# Altium PCB PCB1.PcbDoc
Units mm, origin at the board's own origin, x right, y up, seen from the top; angles counter-clockwise.
Board outline 101.77 x 53.47 mm, 2 copper layers (Top Layer, Bottom Layer); 63 components, 46 nets, 299 pads, 0 vias.
Unrouted connection lines stored in the file: 110.
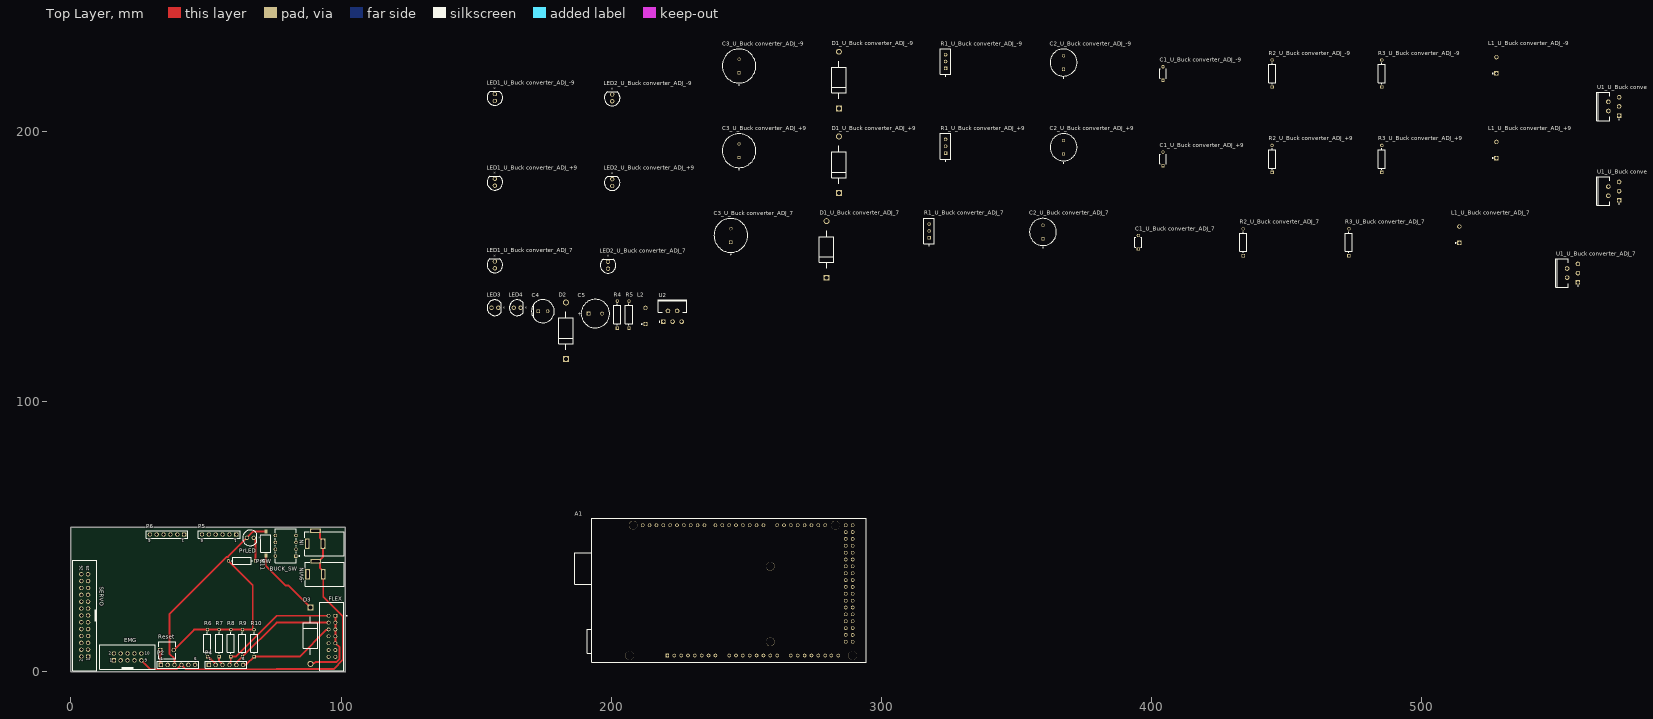
[diagram p0: Top Layer view]
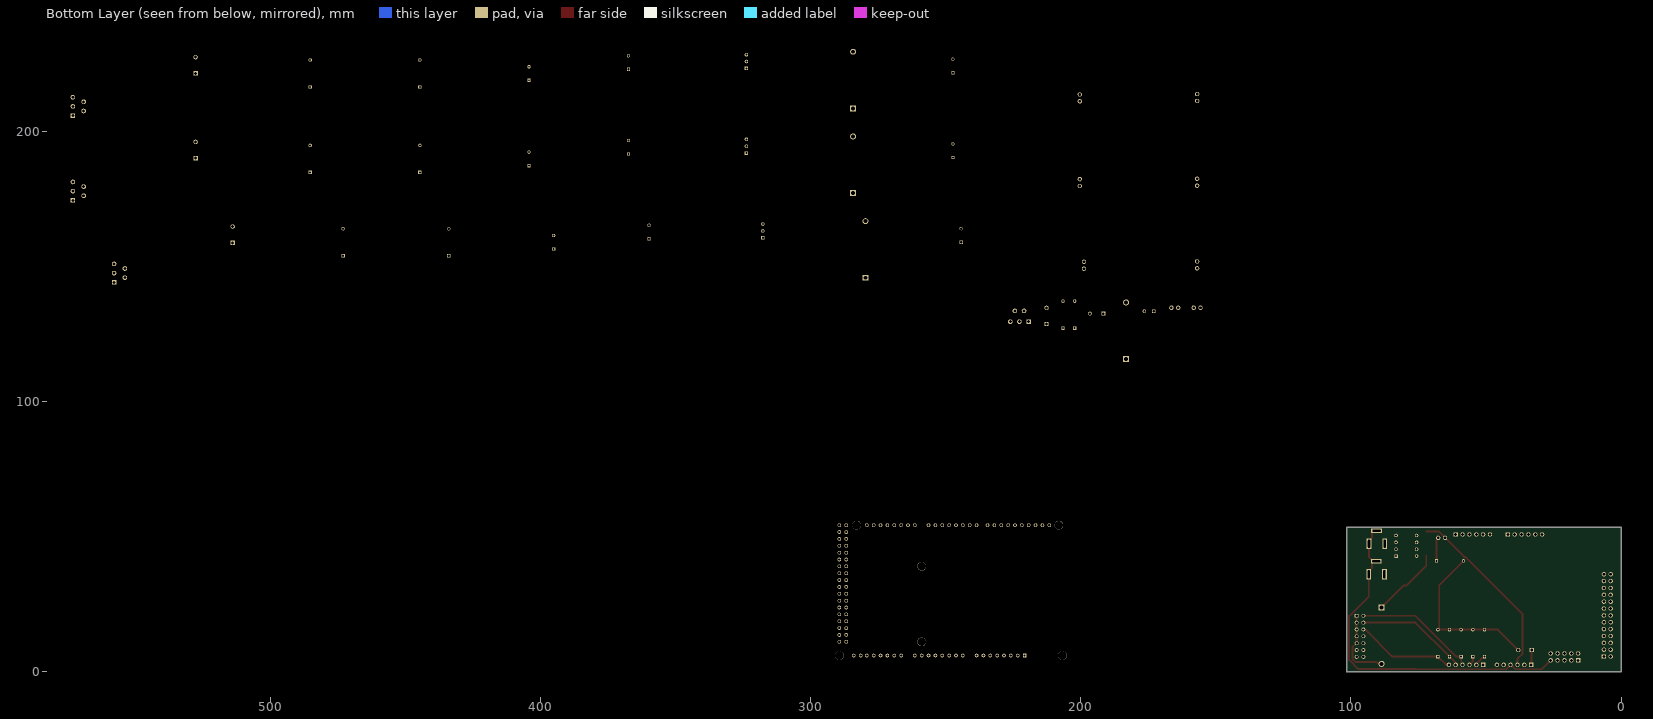
[diagram p1: Bottom Layer view, seen from below]

## Layer stack, top to bottom
Top Solder: solder mask 0.0102, Solder Resist, Dk 3.5
Top Layer: signal copper 0.0356
Dielectric 1: dielectric 0.32, FR-4, Dk 4.8
Bottom Layer: signal copper 0.0356
Bottom Solder: solder mask 0.0102, Solder Resist, Dk 3.5

## Board outline
-0.091,0.089 cw(c0,0.178) -0.127,0.178 -0.127,53.064 cw(c0,53.064) -0.09,53.155 -0.09,53.154 0.059,53.303 0.058,53.303 cw(c0.149,53.213) 0.149,53.34 101.371,53.34 cw(c101.371,53.213) 101.462,53.303 101.461,53.303 101.61,53.154 101.61,53.155 cw(c101.52,53.064) 101.647,53.064 101.647,0 cw(c101.52,0) 101.52,-0.127 0,-0.127 cw(c0,0)

## Design rules (kind name [scope] priority, off if disabled: settings)
Clearance [All] p1: gap=0.5 ignorepadtopadclearanceinfootprint=FALSE
PolygonConnect [All] p1: connectstyle=Relief reliefconductorwidth=0.254 reliefentries=4 polygonreliefangle="90 Angle" airgapwidth=0.254
RoomDefinition "U_Buck converter_ADJ_-9" [InComponentClass('U_Buck converter_ADJ_-9')] p1: confinementstyle=ConfineIn formatcopy=TRUE lockcomponents=FALSE outline 153.543,203.581 604.139,203.581 604.139,233.68 153.543,233.68
RoomDefinition "U_Buck converter_ADJ_+9" [InComponentClass('U_Buck converter_ADJ_+9')] p2: confinementstyle=ConfineIn formatcopy=TRUE lockcomponents=FALSE outline 153.543,172.212 604.139,172.212 604.139,202.311 153.543,202.311
RoomDefinition "U_Buck converter_ADJ_7" [InComponentClass('U_Buck converter_ADJ_7')] p3: confinementstyle=ConfineIn formatcopy=TRUE lockcomponents=FALSE outline 153.543,141.859 587.375,141.859 587.375,170.942 153.543,170.942
RoomDefinition "U_Buck converter_5V" [InComponentClass('U_Buck converter_5V')] p4: confinementstyle=ConfineIn formatcopy=TRUE lockcomponents=FALSE outline 153.543,114.173 228.346,114.173 228.346,140.589 153.543,140.589
RoutingVias [All] p1: holewidth=0.711 width=1.27 viastyle="Through Hole" minholewidth=0.711 minwidth=1.27 maxholewidth=0.711 maxwidth=1.27
SolderMaskExpansion [All] p1: expansion=0.102 istentingtop=FALSE
Width [All] p1: maxlimit=1.5 minlimit=0.5 preferedwidth=0.7 minimp=50.000000 maximp=50.000000 favimp=50.000000
30 further rules are at their usual default settings.

## Classes and differential pairs
channel class "Buck converter_ADJ": "U_Buck converter_ADJ_7" "U_Buck converter_ADJ_+9" "U_Buck converter_ADJ_-9"
component class "U_Buck converter_ADJ_-9": "C1_U_Buck converter_ADJ_-9" "C2_U_Buck converter_ADJ_-9" "C3_U_Buck converter_ADJ_-9" "D1_U_Buck converter_ADJ_-9" "L1_U_Buck converter_ADJ_-9" "LED1_U_Buck converter_ADJ_-9" "LED2_U_Buck converter_ADJ_-9" "R1_U_Buck converter_ADJ_-9" "R2_U_Buck converter_ADJ_-9" "R3_U_Buck converter_ADJ_-9" "U1_U_Buck converter_ADJ_-9"
component class "U_Buck converter_ADJ_+9": "C1_U_Buck converter_ADJ_+9" "C2_U_Buck converter_ADJ_+9" "C3_U_Buck converter_ADJ_+9" "D1_U_Buck converter_ADJ_+9" "L1_U_Buck converter_ADJ_+9" "LED1_U_Buck converter_ADJ_+9" "LED2_U_Buck converter_ADJ_+9" "R1_U_Buck converter_ADJ_+9" "R2_U_Buck converter_ADJ_+9" "R3_U_Buck converter_ADJ_+9" "U1_U_Buck converter_ADJ_+9"
component class "U_Buck converter_ADJ_7": "C1_U_Buck converter_ADJ_7" "C2_U_Buck converter_ADJ_7" "C3_U_Buck converter_ADJ_7" "D1_U_Buck converter_ADJ_7" "L1_U_Buck converter_ADJ_7" "LED1_U_Buck converter_ADJ_7" "LED2_U_Buck converter_ADJ_7" "R1_U_Buck converter_ADJ_7" "R2_U_Buck converter_ADJ_7" "R3_U_Buck converter_ADJ_7" "U1_U_Buck converter_ADJ_7"
component class "U_Buck converter_5V": C4 C5 D2 L2 LED3 LED4 R4 R5 U2
component class "main sheet": -9VIN A1 BUCK_SW D3 EMG FLEX IN P2 P4 P5 P6 PrLED PrSW R6 R7 R8 R9 R10 R11 Reset SERVO

## Components (designator, comment, footprint, x,y, rotation, side; value= is the part's Value field where it differs from the comment)
-9VIN "694108301002" 694108301002 93.98,35.941 r90 top (schematic designator J3)
A1 "A000067" ARDUINO_A000067 243.713,29.972 r90 top
BUCK_SW "A6H-2102" FP-1825360-3-MFG 79.502,46.482 r90 top (schematic designator SW1)
"C1_U_Buck converter_ADJ_7" "3.3nf" FP-RCE0K1-MFG 395.224,158.877 r90 top (schematic designator C1)
"C1_U_Buck converter_ADJ_+9" "3.3nf" FP-RCE0K1-MFG 404.368,189.738 r90 top (schematic designator C1)
"C1_U_Buck converter_ADJ_-9" "3.3nf" FP-RCE0K1-MFG 404.368,221.361 r90 top (schematic designator C1)
"C2_U_Buck converter_ADJ_7" "220uF-50V" CAPPRD500W60D1000H1600 359.918,162.687 r90 top (schematic designator C2)
"C2_U_Buck converter_ADJ_+9" "220uF-50V" CAPPRD500W60D1000H1600 367.538,194.056 r90 top (schematic designator C2)
"C2_U_Buck converter_ADJ_-9" "220uF-50V" CAPPRD500W60D1000H1600 367.538,225.425 r90 top (schematic designator C2)
"C3_U_Buck converter_ADJ_7" "470uf-50V" CAPPRD500W60D1250H2000 244.348,161.417 r90 top (schematic designator C3)
"C3_U_Buck converter_ADJ_+9" "470uf-50V" CAPPRD500W60D1250H2000 247.396,192.786 r90 top (schematic designator C3)
"C3_U_Buck converter_ADJ_-9" "470uf-50V" CAPPRD500W60D1250H2000 247.396,224.155 r90 top (schematic designator C3)
C4 "16SVP180MX" FP-EEU-FC1V221L-MFG 174.752,133.35 r0 top value=330uF
C5 "EEU-FM1H221" PNSC-EEUFM1H221-2 194.183,132.461 r0 top
"D1_U_Buck converter_ADJ_7" "1N5822" FP-DO-201AD-MFG 279.781,156.21 r90 top (schematic designator D1)
"D1_U_Buck converter_ADJ_+9" "1N5822" FP-DO-201AD-MFG 284.353,187.579 r90 top (schematic designator D1)
"D1_U_Buck converter_ADJ_-9" "1N5822" FP-DO-201AD-MFG 284.353,218.948 r90 top (schematic designator D1)
D2 "1N5822" FP-DO-201AD-MFG 183.261,126.111 r90 top
D3 "1N5822" FP-DO-201AD-MFG 88.646,13.208 r270 top
EMG "61201021621" 61201021621 20.955,5.334 r0 top (schematic designator P1)
FLEX "2-1761679-5" TE_2-1761679-5 96.647,12.954 r270 top (schematic designator J4)
IN "694108301002" 694108301002 93.853,47.244 r90 top (schematic designator J2)
"L1_U_Buck converter_ADJ_7" "AIAP-03-220K" ABRA-AIAP-02-2_V2 514.096,161.671 r90 top (schematic designator L1)
"L1_U_Buck converter_ADJ_+9" "AIAP-03-220K" ABRA-AIAP-02-2_V2 527.812,193.04 r90 top (schematic designator L1)
"L1_U_Buck converter_ADJ_-9" "AIAP-03-220K" ABRA-AIAP-02-2_V2 527.812,224.409 r90 top (schematic designator L1)
L2 "AIAP-03-220K" ABRA-AIAP-02-2_V2 212.725,131.572 r90 top
"LED1_U_Buck converter_ADJ_7" "" "Type 5mm" 156.972,150.495 r90 top (schematic designator LED1)
"LED1_U_Buck converter_ADJ_+9" "" "Type 5mm" 156.972,181.102 r90 top (schematic designator LED1)
"LED1_U_Buck converter_ADJ_-9" "" "Type 5mm" 156.972,212.471 r90 top (schematic designator LED1)
"LED2_U_Buck converter_ADJ_7" "" "Type 5mm" 198.882,150.368 r90 top (schematic designator LED2)
"LED2_U_Buck converter_ADJ_+9" "" "Type 5mm" 200.406,180.975 r90 top (schematic designator LED2)
"LED2_U_Buck converter_ADJ_-9" "" "Type 5mm" 200.406,212.344 r90 top (schematic designator LED2)
LED3 "" "Type 5mm" 156.972,134.62 r0 top
LED4 "" "Type 5mm" 165.227,134.62 r0 top
P2 "61300611121" 61300611121 39.624,2.413 r0 top
P4 "61300611121" 61300611121 57.404,2.413 r0 top
P5 "61300611121" 61300611121 54.864,50.673 r180 top
P6 "61300611121" 61300611121 35.56,50.673 r180 top
PrLED "" "Type 5mm" 66.421,49.403 r0 top (schematic designator LED5)
PrSW "A6S-1104-H" FP-A6S-1104-H-MFG 72.136,47.371 r180 top (schematic designator SW2)
"R1_U_Buck converter_ADJ_7" "3290W-1-203" BOUR-3290W 317.754,163.068 r90 top (schematic designator R1)
"R1_U_Buck converter_ADJ_+9" "3290W-1-203" BOUR-3290W 323.85,194.437 r90 top (schematic designator R1)
"R1_U_Buck converter_ADJ_-9" "3290W-1-203" BOUR-3290W 323.85,225.806 r90 top (schematic designator R1)
"R2_U_Buck converter_ADJ_7" "MFR-25FBF52-1K18" FP-MFR-25-MFG 434.086,158.877 r90 top value="2K Ω" (schematic designator R2)
"R2_U_Buck converter_ADJ_+9" "MFR-25FBF52-1K18" FP-MFR-25-MFG 444.754,189.738 r90 top value="2K Ω" (schematic designator R2)
"R2_U_Buck converter_ADJ_-9" "MFR-25FBF52-1K18" FP-MFR-25-MFG 444.754,221.361 r90 top value="2K Ω" (schematic designator R2)
"R3_U_Buck converter_ADJ_7" "MFR-25FBF52-1K18" FP-MFR-25-MFG 473.202,158.877 r90 top value=450 (schematic designator R3)
"R3_U_Buck converter_ADJ_+9" "MFR-25FBF52-1K18" FP-MFR-25-MFG 485.394,189.738 r90 top value=450 (schematic designator R3)
"R3_U_Buck converter_ADJ_-9" "MFR-25FBF52-1K18" FP-MFR-25-MFG 485.394,221.361 r90 top value=450 (schematic designator R3)
R4 "MFR-25FBF52-1K18" FP-MFR-25-MFG 202.311,132.08 r90 top value="2K Ω"
R5 "MFR-25FBF52-1K18" FP-MFR-25-MFG 206.629,132.08 r90 top value=100
R6 "MFR-25FBF52-1K18" FP-MFR-25-MFG 50.546,10.414 r90 top value=1K
R7 "MFR-25FBF52-1K18" FP-MFR-25-MFG 54.864,10.414 r90 top value=1K
R8 "MFR-25FBF52-1K18" FP-MFR-25-MFG 59.182,10.414 r90 top value=1K
R9 "MFR-25FBF52-1K18" FP-MFR-25-MFG 63.5,10.414 r90 top value=1K
R10 "MFR-25FBF52-1K18" FP-MFR-25-MFG 67.818,10.414 r90 top value=1K
R11 "MFR-25FBF52-1K18" FP-MFR-25-MFG 63.326,40.894 r180 top value=100
Reset "EVQ-21505R" FP-EVQ-21505R-MFG 35.56,7.874 r0 top (schematic designator SW3)
SERVO "61202621621" 61202621621 5.08,20.701 r90 top (schematic designator P3)
"U1_U_Buck converter_ADJ_7" "LM2596T-ADJ" NDH0005A 556.006,147.447 r90 top (schematic designator U1)
"U1_U_Buck converter_ADJ_+9" "LM2596T-ADJ" NDH0005A 571.246,177.8 r90 top (schematic designator U1)
"U1_U_Buck converter_ADJ_-9" "LM2596T-ADJ" NDH0005A 571.246,209.169 r90 top (schematic designator U1)
U2 "LM2596T-5.0" NDH0005A 222.758,131.445 r0 top

## Footprints (in the part's own frame and the unit in brackets; to place one, negate y for a bottom-side part, rotate by r counter-clockwise, add the part's x,y. Pads: shape width x height; smd on the part's side, far side on the other; paste and mask are expansions set on the pad)
61201021621 [mm] "10 pins, straight, gold plating"
  rect 1.6x1.6 hole 1.1: 1(-5.08,-1.27)
  round 1.6 hole 1.1: 2(-5.08,1.27) 3(-2.54,-1.27) 4(-2.54,1.27) 5(0,-1.27) 6(0,1.27) 7(2.54,-1.27) 8(2.54,1.27) 9(5.08,-1.27) 10(5.08,1.27)
  silkscreen extent -10.28,-4.5 10.28,4.5, body extent -10.18,-4.42 10.18,4.75, height 9.13
61202621621 [mm] "26 pins, straight, gold plating"
  rect 1.6x1.6 hole 1.1: 1(-15.24,-1.27)
  round 1.6 hole 1.1: 2(-15.24,1.27) 3(-12.7,-1.27) 4(-12.7,1.27) 5(-10.16,-1.27) 6(-10.16,1.27) 7(-7.62,-1.27) 8(-7.62,1.27) 9(-5.08,-1.27) 10(-5.08,1.27) 11(-2.54,-1.27) 12(-2.54,1.27) 13(0,-1.27) 14(0,1.27) 15(2.54,-1.27) 16(2.54,1.27) 17(5.08,-1.27) 18(5.08,1.27) 19(7.62,-1.27) 20(7.62,1.27) 21(10.16,-1.27) 22(10.16,1.27) 23(12.7,-1.27) 24(12.7,1.27) 25(15.24,-1.27) 26(15.24,1.27)
  silkscreen extent -20.44,-4.5 20.44,4.5, body extent -20.34,-4.42 20.34,4.75, height 9.13
61300611121 [mm] "Pin Header, pitch 2.54 mm, THT, Vertical, single row, 6p"
  rect 1.6x1.6 hole 1.1: 1(-6.35,0)
  round 1.6 hole 1.1: 2(-3.81,0) 3(-1.27,0) 4(1.27,0) 5(3.81,0) 6(6.35,0)
  silkscreen extent -7.77,-1.35 7.77,1.35, body extent -7.62,-1.27 7.62,1.27, height 8.57
694108301002 [mm] "DC Power Jack Right Angled(6.4)"
  rect 4x1.8 hole 0.8 slot 3 at 0 deg: 1(0,6.35) 2(0,0.55)
  rect 1.8x4 hole 0.8 slot 3 at 90 deg: 3(4.8,3.35)
  silkscreen extent -4.5,-7.25 4.5,7.25, body extent -4.5,-7.25 5,7.25, height 10.75
ABRA-AIAP-02-2_V2 [mm] "Axial Leaded, 2-Leads, Dia 6.4mm, Length 14mm, Pin Spacing 6mm"
  rect 1.6x1.6 hole 1.1: 1(-3,0)
  round 1.6 hole 1.1: 2(3,0)
  silkscreen extent -3.12,1.22 -2.88,1.47, body extent -3.4,-3.19 6.2,3.19, height 16.41
ARDUINO_A000067 [mm]
  round 1.358 hole 0.85: 0(24.13,-12.7) 1(24.13,-10.16) 2(24.13,-7.62) 3(24.13,-5.08) 3V3(-24.13,15.24) 4(24.13,-2.54) 5(24.13,0) 5V_1(-24.13,12.7) 5V_2(24.13,-43.18) 5V_3(24.13,-45.72) 6(24.13,2.54) 7(24.13,5.08) 8(24.13,9.144) 9(24.13,11.684) 10(24.13,14.224) 11(24.13,16.764) 12(24.13,19.304) 13(24.13,21.844) 14(24.13,-17.78) 15(24.13,-20.32) 16(24.13,-22.86) 17(24.13,-25.4) 18(24.13,-27.94) 19(24.13,-30.48) 20(24.13,-33.02) 21(24.13,-35.56) 22(21.59,-43.18) 23(21.59,-45.72) 24(19.05,-43.18) 25(19.05,-45.72) 26(16.51,-43.18) 27(16.51,-45.72) 28(13.97,-43.18) 29(13.97,-45.72) 30(11.43,-43.18) 31(11.43,-45.72) 32(8.89,-43.18) 33(8.89,-45.72) 34(6.35,-43.18) 35(6.35,-45.72) 36(3.81,-43.18) 37(3.81,-45.72) 38(1.27,-43.18) 39(1.27,-45.72) 40(-1.27,-43.18) 41(-1.27,-45.72) 42(-3.81,-43.18) 43(-3.81,-45.72) 44(-6.35,-43.18) 45(-6.35,-45.72) 46(-8.89,-43.18) 47(-8.89,-45.72) 48(-11.43,-43.18) 49(-11.43,-45.72) 50(-13.97,-43.18) 51(-13.97,-45.72) 52(-16.51,-43.18) 53(-16.51,-45.72) AD0(-24.13,0) AD1(-24.13,-2.54) AD2(-24.13,-5.08) AD3(-24.13,-7.62) AD4(-24.13,-10.16) AD5(-24.13,-12.7) AD6(-24.13,-15.24) AD7(-24.13,-17.78) AD8(-24.13,-22.86) AD9(-24.13,-25.4) AD10(-24.13,-27.94) AD11(-24.13,-30.48) AD12(-24.13,-33.02) AD13(-24.13,-35.56) AD14(-24.13,-37.846) AD15(-24.13,-40.386) AREF(24.13,26.924) GND1(-24.13,10.16) GND2(-24.13,7.62) GND3(24.13,24.384) GND4(-19.05,-43.18) GND5(-19.05,-45.72) IOREF(-24.13,20.32) RESET(-24.13,17.78) SCL(24.13,32.004) SDA(24.13,29.464) VIN(-24.13,5.08)
  rect 1.358x1.358 hole 0.85: NC(-24.13,22.86)
  round 3.2 hole 3.2 unplated: ""(-24.13,36.83) ""(-24.13,-45.72) ""(-19.05,-15.24) ""(8.89,-15.24) ""(24.13,35.56) ""(24.13,-39.37)
  silkscreen extent -26.67,-50.8 26.67,57.15, body extent -26.5,-51 26.5,57, height 13.23
BOUR-3290W [mm] "THD, 3-Leads, Body 9.53x3.81mm, Pitch 2.54mm"
  rect 1.3x1.3 hole 0.8: 1(-2.54,0)
  round 1.3 hole 0.8: 2(0,0) 3(2.54,0)
  silkscreen extent -5.54,-1.91 4.76,1.91, body extent -4.89,-2.01 4.89,2.01, height 10.86
CAPPRD500W60D1000H1600 [mm]
  round 1.2 hole 0.85: N(2.5,0)
  rect 1.2x1.2 hole 0.85: P(-2.5,0)
  silkscreen extent -5.85,-5 5,5, body extent -5,-5 5,5, height 16
CAPPRD500W60D1250H2000 [mm]
  round 1.2 hole 0.85: N(2.5,0)
  rect 1.2x1.2 hole 0.85: P(-2.5,0)
  silkscreen extent -7.1,-6.25 6.25,6.25, body extent -6.25,-6.25 6.25,6.25, height 20
FP-1825360-3-MFG [mm]
  rect 1.29x1.29 hole 0.79 paste-1000 mask+0: 1(-3.81,-3.81)
  round 1.29 hole 0.79 paste-1000 mask+0: 2(-1.27,-3.81) 3(1.27,-3.81) 4(3.81,-3.81) 5(3.81,3.81) 6(1.27,3.81) 7(-1.27,3.81) 8(-3.81,3.81)
  silkscreen extent -6.29,-5.16 6.29,3.9, body extent -6.4,-4.55 6.4,4.55, height 0.25
FP-A6S-1104-H-MFG [mm]
  rect 1.1x1.5 smd paste+0 mask+0: 1(0,-4.45) 2(0,4.45)
  silkscreen extent -1.84,-3.2 1.84,3.2, body extent -1.94,-5.3 1.94,5.3, height 0.25
FP-DO-201AD-MFG [mm]
  rect 2.2x2.2 hole 1.45 paste-1000 mask+0: 1(-10.47,0)
  round 2.2 hole 1.45 paste-1000 mask+0: 2(10.47,0)
  silkscreen extent -7,-2.65 7,2.65, body extent -11.67,-2.75 11.67,2.75, height 0.25
FP-EEU-FC1V221L-MFG [mm]
  rect 1.3x1.3 hole 0.8 paste-1000 mask+0: 1(-1.75,0)
  round 1.3 hole 0.8 paste-1000 mask+0: 2(1.75,0)
  silkscreen extent -4.25,-4.25 4.25,4.25, body extent -4.35,-4.35 4.35,4.35, height 0.25
FP-EVQ-21505R-MFG [mm]
  rect 1.55x1.55 hole 1 paste-1000 mask+0: A(-2.5,0)
  round 1.55 hole 1 paste-1000 mask+0: B(2.5,0)
  silkscreen extent -3.15,-3.15 3.15,3.15, body extent -3.37,-3.25 3.37,3.25, height 0.25
FP-MFR-25-MFG [mm]
  rect 1.25x1.25 hole 0.75 paste-1000 mask+0: 1(-5,0)
  round 1.25 hole 0.75 paste-1000 mask+0: 2(5,0)
  silkscreen extent -3.98,-1.3 3.98,1.3, body extent -5.72,-1.4 5.72,1.4, height 0.25
FP-RCE0K1-MFG [mm]
  rect 1.2x1.2 hole 0.7 paste-1000 mask+0: 1(-2.5,0)
  round 1.2 hole 0.7 paste-1000 mask+0: 2(2.5,0)
  silkscreen extent -1.8,-1.25 1.8,1.25, body extent -3.2,-1.35 3.2,1.35, height 0.25
NDH0005A [mm] "FM, 5-Leads, Body 10.6x4.7mm, Pitch 1.7mm"
  rect 1.7x1.7 hole 1.1: 1(-3.4,-2)
  round 1.7 hole 1.1: 2(-1.7,2) 3(0,-2) 4(1.7,2) 5(3.4,-2)
  silkscreen extent -5.3,-2.13 5.3,6.23, body extent -5.35,-2.31 5.35,6.28, height 21.1
PNSC-EEUFM1H221-2 [mm] "THD, 2-Leads, Dia 10.5mm, Body Length 17.5mm, Pin Spacing 5mm"
  rect 1.4x1.4 hole 0.9: 1(-2.5,0)
  round 1.4 hole 0.9: 2(2.5,0)
  silkscreen extent -5.25,-5.25 5.25,5.25, body extent -5.25,-5.25 5.25,5.25, height 17.5
TE_2-1761679-5 [mm]
  rect 1.398x1.398 hole 0.89: 1(-7.62,1.27)
  round 1.398 hole 0.89: 2(-5.08,1.27) 3(-2.54,1.27) 4(0,1.27) 5(2.54,1.27) 6(5.08,1.27) 7(7.62,1.27) 8(-7.62,-1.27) 9(-5.08,-1.27) 10(-2.54,-1.27) 11(0,-1.27) 12(2.54,-1.27) 13(5.08,-1.27) 14(7.62,-1.27)
  silkscreen extent -12.7,-4.45 12.7,5.55
"Type 5mm" [mm] "THT, LED-5mm, 2pin- Body 5.8mm"
  round 1.6 hole 1: 1(1.27,0) 2(-1.27,0)
  silkscreen extent -2.9,-2.9 2.29,2.9, body extent -2.9,-2.9 2.5,2.9, height 11.7

## Part data
-9VIN IN: library part CMP-1502-00190-1, "DC Power Jack Connector WR-DC, Male, Right Angled, THT, 5 A, 24 V", Manufacturer="Wurth Elektronik", Operating Temperature=-40to85degC, Rated Current=5A, Working Voltage=24V, Datasheet URL=http://katalog.we-online.de/em/datasheet/6941xx301002.pdf, Gender=Male, Manufacturer URL=http://www.we-online.de, Mounting Technology=THT, Opening Diameter=6.4mm, Orientation=RightAngled, Package Reference=694108301002, Packaging=Bag, Part Number=694108301002, Plug Inner Diameter=2.55mm, Plug Outer Diameter=5.5mm, Publisher=WurthElektronik
A1: "ARDUINO UNO REV3 DEVELOPMENT BOARD", Package=None, Availability=Unavailable, MF="{'manufacturer': u'Arduino'}", MP=A000067, Price=None
BUCK_SW: library part CMP-03400-000022-1, "SWITCH SLIDE DIP SPST 100MA 24V", Contact Current Rating=1A, Contact Resistance=50mR, Flammability Rating="UL94 V-0", Housing Color=Black, Max Current Rating=100mA, Max Operating Temperature=85°C, Max Voltage Rating (DC)=24V, Min Operating Temperature=-30°C, Package Quantity=35, Voltage Rating (DC)=5V, Actuator Length=0.99mm, Actuator Material=Polybutylene, Actuator Type=Standard, Contact Material="Copper Alloy", Contact Plating=Gold, Contact Post Length=4mm, Depth=7.49mm, Electrical Life=1000Cycles, ELV=Compliant, Height=0.138inch, Housing Material=Polyphenylene, Lead Free="Lead Free", Length=0.476inch, Mount="Through Hole", Number of Circuits=4, Number of Positions=4, Orientation=Straight, Packaging=Rail/Tube, Pitch=0.1inch, Radiation Hardening=No, RoHS Compliant=Yes, Sealable="No (Without)", Series=ADE, Terminal Pitch=2.54mm, Termination="PC Pins", Throw Configuration=SPST, Type=Switch, Washable=Yes
"C1_U_Buck converter_ADJ_7" "C1_U_Buck converter_ADJ_+9" "C1_U_Buck converter_ADJ_-9": library part CMP-06035-016735-1, "Cap Ceramic 15pF 50V C0G ±5% Radial 5mm +125°C Automotive Bulk", Capacitance=15pF, Case/Package=Radial, Dielectric=C0G, Max Operating Temperature=125°C, Min Operating Temperature=-55°C, Package Quantity=2000, Ratings=AEC-Q200, Resistor Type=Ceramic, Tolerance=5%, Voltage Rating=50V, Height=3.5mm, Height - Seated (Max)=0.138inch, Lead Diameter=0.5mm, Lead Pitch=0.197inch, Lead/Base Style="Formed Leads", Length=0.142inch, Mount="Through Hole", Packaging="Tape and Reel", Termination=Radial, Voltage Rating (DC)=50V, Width=0.098inch
"C2_U_Buck converter_ADJ_7" "C2_U_Buck converter_ADJ_+9" "C2_U_Buck converter_ADJ_-9": library part EEUFM1H221, "FM-A", Package=None, Availability=Unavailable, MF="{'manufacturer': u'Panasonic'}", MP=EEUFM1H221, Price=None
"C3_U_Buck converter_ADJ_7" "C3_U_Buck converter_ADJ_+9" "C3_U_Buck converter_ADJ_-9": library part EEUFM1H471, "FM-A", Package=None, Availability=Unavailable, MF="{'manufacturer': u'Panasonic'}", MP=EEUFM1H471, Price=None
C4: library part CMP-05427-000010-1, "CAP ALUM 220UF 20% 35V RADIAL", Capacitance=330uF, Leakage Current=77uA, Manufacturer="Panasonic Electronic Components", Manufacturer Part Number=EEU-FC1V221L, Package=0, Ripple Current=730mA, Temperature="-55°C to +105°C", Temperature Range High=+105°C, Temperature Range Low=-55°C, Tolerance=20%, Voltage Rating=35V, Automotive=Yes, Automotive Grade="Grade 2", Category=Cap, ComponentLink2Description=Datasheet, ComponentLink2URL=https://industrial.panasonic.com/cdbs/www-data/pdf/RDF0000/ABA0000C1209.pdf, Device Class L1="Passive Components", Device Class L2=Capacitors, Device Class L3="Aluminum Electrolytic Capacitors", Digikey Description="CAP ALUM 220UF 20% 35V RADIAL", Dissipation Factor=12%, ESR=0.085Ω, Height=16.5mm, Lead Free=Yes, Life=2000Hours, Material=Aluminum, Mouser Description="Capacitor; Aluminum Electrolytic; Fc Radial Elec Cap 220uF 35V", Octopart=https://octopart.com/eeu-fc1v221l-panasonic-39478519, RoHS=TRUE
C5: library part CMP-2000-05312-1, "Radial Lead Aluminum Electrolytic Capacitor, 220 uF, +/- 20%, 50 V, -40 to 105 degC, RoHS, Bulk", Capacitance=220µF, Case Size/Dimension=Ø10x16mm, Lifetime@Temperature=4000Hrs@105degC, Manufacturer=Panasonic, Operating Temp Range=-40to+105degC, Operating Temp-Max=105degC, Rated Voltage=50V, Ripple Current=1650mA, Datasheet URL=https://datasheet.ciiva.com/11779/0900766b805f3abe-11779695.pdf, Datasheet Version=May-14, Impedance=0.03O, Manufacturer URL=http://www.panasonic.com/, Series=FM, Type=Radial
"D1_U_Buck converter_ADJ_7" "D1_U_Buck converter_ADJ_+9" "D1_U_Buck converter_ADJ_-9" D2 D3: library part CMP-12187-000025-1, "DIODE SCHOTTKY 40V 3A DO201AD", Forward Current=3A, Manufacturer=STMicroelectronics, Max Junction Temp=+150°C, Max Repetitive Reverse Voltage=40V, Max Surge Forward Current=80A, Package=DO-201AD, Peak Reverse Current=2mA, Temperature="to +150°C", Automotive=No, Category=Diode, ComponentLink2Description=Datasheet, ComponentLink2URL=https://www.st.com/resource/en/datasheet/1n5822.pdf, Device Class L1="Discrete Semiconductors", Device Class L2=Diodes, Device Class L3="Schottky Diodes", Digikey Description="DIODE SCHOTTKY 40V 3A DO201AD", Height=5.3mm, Lead Free=Yes, Manufacturer Part Number=1N5822, Mouser Description="Schottky Diodes & Rectifiers Vr/40V Io/3A BULK", Octopart=https://octopart.com/1n5822-stmicroelectronics-323225, RoHS=TRUE, Temperature Range High=+150°C
EMG: library part CMP-1502-00007-1, "Male Box Header WR-BHD, THT, Vertical, pitch 2.54 mm, 10 pins", Contact Resistance=20mOhm, Manufacturer="Wurth Elektronik", Operating Temperature=-40to125degC, Withstanding Voltage=500VAC, Working Voltage=250VAC, Datasheet URL=https://katalog.we-online.de/em/datasheet/6120xx21621.pdf, Gender=Male, Manufacturer URL=http://www.we-online.de, Mounting Technology=THT, Orientation=Vertical, Package Reference=61201021621, Packaging=Tray, Part Number=61201021621, Pin Number=10, Pitch=2.54mm, Published Date=August2018, Publisher=WurthElektronik
FLEX: Package=None, Availability=Unavailable, MF="{'manufacturer': u'TE Connectivity'}", MP=2-1761679-5, Price=None
"L1_U_Buck converter_ADJ_7" "L1_U_Buck converter_ADJ_+9" "L1_U_Buck converter_ADJ_-9" L2: library part CMP-0740-00001-1, "Axial Power Inductor, 1000 uH +/- 10%, 0.4 A Max, 2.3 Ohm Max, -40 to 85 degC, 6.4 mm Dia x 14 mm Length, RoHS, Bag", Inductance="33 uH", Manufacturer=Abracon, Operating Temperature="-40 to 85 degC", PartNumber=AIAP-02-102K, Tolerance="+/- 10%", ComponentLink1Description="Manufacturer URL", ComponentLink1URL=http://www.abracon.com/, ComponentLink2Description=Datasheet, ComponentLink2URL=http://www.abracon.com/Magnetics/axial/AIAP-02.pdf, ComponentLink3Description="Package Specification", ComponentLink3URL=http://www.abracon.com/Magnetics/axial/AIAP-02.pdf, DatasheetVersion=2/12/2012, DCR Max="2.3 Ohm", IDC Max="0.4 A", Mounting Technology="Through Hole", PackageDescription="2-Pin Axial Leaded, Dia 6.4 mm, Length 14 mm", PackageReference=AIAP-02-2, PackageVersion="Rev. 02.12.12", Packing=Bag, RoHS=TRUE
"LED1_U_Buck converter_ADJ_7" "LED1_U_Buck converter_ADJ_+9" "LED1_U_Buck converter_ADJ_-9" "LED2_U_Buck converter_ADJ_7" "LED2_U_Buck converter_ADJ_+9" "LED2_U_Buck converter_ADJ_-9" LED3 LED4 PrLED: library part CMP-1488-00007-1, "THT LED round mono-color color lens, WL-TMRW, Bright Green", Emitting color="Bright Green", Manufacturer="Wuerth Elektronik", PartNumber=151051VS04000, ComponentLink1Description="Manufacturer URL", ComponentLink1URL=http://www.we-online.com, ComponentLink2Description=Datasheet, ComponentLink2URL=http://katalog.we-online.de/pbs/datasheet/7448042001.pdfhttp://katalog.we-online.de/pbs/datasheet/7448042001.pdfhttp://katalog.we-online.de/pbs/datasheet/7448042001.pdfhttp://katalog.we-online.de/pbs/datasheet/151051VS04000.pdf, PackageReference="Type 5mm"
P2 P4 P5 P6: library part CMP-1502-01070-1, "THT Vertical Pin Header WR-PHD, Pitch 2.54 mm, Single Row, 6 pins", Contact Resistance=20mOhm, Manufacturer="Wurth Elektronik", Operating Temperature=-40to105degC, Rated Current=3A, Withstanding Voltage=500VAC, Working Voltage=250VAC, Datasheet URL=https://katalog.we-online.de/em/datasheet/6130xx11121.pdf, Gender=Male, Manufacturer URL=http://www.we-online.de, Mounting Technology=THT, Orientation=Vertical, Package Reference=61300611121, Packaging=Bag, Part Number=61300611121, Pin Number=6, Pitch=2.54mm, Publisher=WurthElektronik, Row Number=Single
PrSW: library part CMP-08827-000005-1, "SWITCH SLIDE DIP SPST 25MA 24V", Ambient Temperature Range High=+70°C, Ambient Temperature Range Low=-20°C, Contact Current Rating=25mA, Contact Resistance=200mΩ, Manufacturer="Omron Electronics Inc-EMC Div", Package=0, Temperature="-20°C to +70°C", Voltage Rating Dc=24V, Automotive=No, Category=Switch, ComponentLink2Description=Datasheet, ComponentLink2URL=https://omronfs.omron.com/en_US/ecb/products/pdf/en-a6s.pdf, Device Class L1=Electromechanical, Device Class L2=Switches, Device Class L3="DIP Switches", Digikey Description="SWITCH SLIDE DIP SPST 25MA 24V", Electromechanical Life=1000Cycles, Height=3.95mm, Lead Free=Yes, Manufacturer Part Number=A6S-1104-H, Mount="Surface Mount", Mouser Description="DIP Switches / SIP Switches Dip Switch", Number of Circuits=1, Octopart=https://octopart.com/a6s-1104-h-omron-55410938, RoHS=TRUE, Standoff Height=0mm, Temperature Range High=+70°C, Temperature Range Low=-20°C, Throw Configuration=SPST-NO
"R1_U_Buck converter_ADJ_7" "R1_U_Buck converter_ADJ_+9" "R1_U_Buck converter_ADJ_-9": library part CMP-2000-05581-1, "Trimming Potentiometer, 20 KOhm, 1 W, -65 to 150 degC, 3-Pin THD, RoHS, Tube", Manufacturer=Bourns, Package Description="3-Pin Through Hole Device, Body 9.53 x 3.81 mm, Pitch 2.54 mm", Package Reference=3290W, Power Rating=1W, Resistance Tolerance=±5%, Temperature Coefficient=±50ppm/°C, Track Resistance=20kohm, Datasheet URL=http://www.bourns.com/docs/Product-Datasheets/3290.pdf, Datasheet Version=04/2014, Manufacturer URL=http://www.bourns.com/, Mounting Technology=ThroughHole, No. of Turns=25, Potentiometer Mounting=ThroughHole, Product Range=AEC-Q2003290WSeries, SVHC=NoSVHC(15-Jun-2015)
"R2_U_Buck converter_ADJ_7" "R2_U_Buck converter_ADJ_+9" "R2_U_Buck converter_ADJ_-9" "R3_U_Buck converter_ADJ_7" "R3_U_Buck converter_ADJ_+9" "R3_U_Buck converter_ADJ_-9" R4 R5 R6 R7 R8 R9 R10 R11: library part CMP-03413-000001-1, "RES 1.18K OHM 1/4W 1% AXIAL", Manufacturer=Yageo, Package=MFR-25, Power Rating=0.25W, Resistance="10K Ω", Temperature="-55°C to +155°C", Temperature Coefficient=100ppm/°C, Temperature Range High=+155°C, Temperature Range Low=-55°C, Tolerance=1%, Voltage Rating=250V, Automotive=No, Category=Res, ComponentLink2Description=Datasheet, ComponentLink2URL=https://www.yageo.com/upload/media/product/products/datasheet/lr/Yageo_LR_MFR_1.pdf, Composition="Metal Film", Device Class L1="Passive Components", Device Class L2=Resistors, Device Class L3="Through-Hole Resistors", Digikey Description="RES 1.18K OHM 1/4W 1% AXIAL", Height=2.6mm, Ipc Land Pattern Name=RESAD1000W75L680D260, Lead Free=Yes, Manufacturer Part Number=MFR-25FBF52-1K18, Mouser Description="Metal Film Resistors 1.18K OHM 1/4W 1%", Octopart=https://octopart.com/mfr-25fbf52-1k18-yageo-56251681, RoHS=TRUE, Series=MFR
Reset: library part CMP-05618-000118-1, "SWITCH TACTILE SPST-NO 0.02A 15V", Actuator Color=Red, Case/Package=Radial, Contact Current Rating=20mA, Contact Resistance=50mR, Max Operating Temperature=70°C, Max Voltage Rating (DC)=15V, Min Operating Temperature=-20°C, Operating Force=1.6N, Package Quantity=1, Actuator Length=1.6mm, Actuator Type=Standard, Contact Plating=Silver, Current Rating=20mA, Depth=6mm, Electrical Life=100000Cycles, Height=5mm, Illumination Type=Non-Illuminated, Lead Free="Lead Free", Length=6mm, Max Current Rating=20mA, Mechanical Life=100000Cycles, Mount="Through Hole", Orientation=Straight, Packaging="Tape and Reel", Series=EVQ2, Size=6mm, Switch Function=Off-Mom, Switch Travel=0.25mm, Termination="PC Pin", Throw Configuration=SPST, Voltage Rating (DC)=15V, Width=6mm
SERVO: library part CMP-1502-00012-1, "Male Box Header WR-BHD, THT, Vertical, pitch 2.54 mm, 26 pins", Contact Resistance=20mOhm, Manufacturer="Wurth Elektronik", Operating Temperature=-40to125degC, Withstanding Voltage=500VAC, Working Voltage=250VAC, Datasheet URL=https://katalog.we-online.de/em/datasheet/6120xx21621.pdf, Gender=Male, Manufacturer URL=http://www.we-online.de, Mounting Technology=THT, Orientation=Vertical, Package Reference=61202621621, Packaging=Tray, Part Number=61202621621, Pin Number=26, Pitch=2.54mm, Published Date=August2018, Publisher=WurthElektronik
"U1_U_Buck converter_ADJ_7" "U1_U_Buck converter_ADJ_+9" "U1_U_Buck converter_ADJ_-9": library part CMP-0069-01927-3, "SIMPLE SWITCHER® Power Converter 150 KHz 3A Step-Down Voltage Regulator, 5-pin TO-220", Manufacturer="Texas Instruments", PackageTopMarking="NSUZXYTTE#*LM2596T*-ADJ P+", PowerWise=N, ComponentLink1Description="Datasheet URL", ComponentLink1URL=http://www.ti.com/general/docs/lit/getliterature.tsp?genericPartNumber=LM2596&fileType=pdf, CompType=Switcher, PackageDescription="TO-220, Molded, Stagger Bend, 5 Lead", PackageReference=NDH0005A, PinCount=5, RoHS=N
U2: library part CMP-0069-01931-3, "SIMPLE SWITCHER® Power Converter 150 KHz 3A Step-Down Voltage Regulator, 5-pin TO-220", Manufacturer="Texas Instruments", PackageTopMarking="NSUZXYTTE#*LM2596T*-5.0 P+", PowerWise=N, ComponentLink1Description="Datasheet URL", ComponentLink1URL=http://www.ti.com/general/docs/lit/getliterature.tsp?genericPartNumber=LM2596&fileType=pdf, CompType=Switcher, PackageDescription="TO-220, Molded, Stagger Bend, 5 Lead", PackageReference=NDH0005A, PinCount=5, RoHS=N

## Nets (pads, with @x,y where several pads share a name; then routed paths per layer and width w, separated by ;. In a path a pad name is that pad's centre, name@x,y a point inside that pad or via, vN(x,y) a via of type N, cw(c..) or ccw(c..) an arc to the next point about the centre after c; other vN are vias at no path point)
5V: P2.3 PrLED.2 PrSW.1 | length 67.9
  Top Layer w0.7: P2.3 38.354,4.642 36.435,6.561 36.435,21.089 57.715,42.369 58.117,42.369 67.569,51.821 PrSW.1
5V_out: C5.1 D3.2 FLEX.1 FLEX.2 FLEX.3 FLEX.4 FLEX.5 L2.2 R5.1 U2.4 | length 28.2
  Top Layer w0.7: D3.2 88.933,3.025 90.076,3.025 90.48,3.429 98.203,3.429 99.466,4.692 99.466,8.865 FLEX.5 FLEX.4 FLEX.3 FLEX.2 FLEX.1
"+9V out": "C1_U_Buck converter_ADJ_+9.1" "C2_U_Buck converter_ADJ_+9.P" "L1_U_Buck converter_ADJ_+9.2" "R1_U_Buck converter_ADJ_+9.3" "R3_U_Buck converter_ADJ_+9.1" EMG.1
"-9V out": "C2_U_Buck converter_ADJ_-9.N" "C3_U_Buck converter_ADJ_-9.N" "D1_U_Buck converter_ADJ_-9.2" "LED1_U_Buck converter_ADJ_-9.1" "LED2_U_Buck converter_ADJ_-9.1" "R1_U_Buck converter_ADJ_-9.1" "U1_U_Buck converter_ADJ_-9.3" "U1_U_Buck converter_ADJ_-9.5" EMG.5
A0: EMG.7 P4.1
A1: FLEX.6 P4.2 R6.1 | length 4.4
  Top Layer w0.7: R6.1 50.821,5.139 51.13,5.139 52.704,3.565 52.704,3.547 53.594,2.657 P4.2
A2: FLEX.7 P4.3 R7.1 | length 3.5
  Top Layer w0.7: R7.1 54.864,3.739 56.134,2.469 P4.3
A3: FLEX.8 P4.4 R8.1 | length 45.7
  Top Layer w0.7: P4.4 58.674,2.657 59.182,3.165 R8.1 61.048,5.414 76.208,20.574 FLEX.8
A4: FLEX.9 P4.5 R9.1 | length 41.1
  Top Layer w0.7: P4.5 61.386,2.585 61.386,3.3 R9.1 76.12,18.034 FLEX.9
A5: FLEX.10 P4.6 R10.1 | length 37
  Top Layer w0.7: P4.6 63.926,2.585 64.989,2.585 R10.1 84.662,5.414 94.608,15.36 95.243,15.36 FLEX.10
"ADJ_OUT_U_Buck converter_ADJ_7": "C1_U_Buck converter_ADJ_7.1" "C2_U_Buck converter_ADJ_7.P" "L1_U_Buck converter_ADJ_7.2" "R1_U_Buck converter_ADJ_7.3" "R3_U_Buck converter_ADJ_7.1" SERVO.1 SERVO.3 SERVO.5 SERVO.7 SERVO.9 SERVO.11 SERVO.13
"FB_ADJ_U_Buck converter_ADJ_7": "C1_U_Buck converter_ADJ_7.2" "R1_U_Buck converter_ADJ_7.2" "U1_U_Buck converter_ADJ_7.4"
"FB_ADJ_U_Buck converter_ADJ_+9": "C1_U_Buck converter_ADJ_+9.2" "R1_U_Buck converter_ADJ_+9.2" "U1_U_Buck converter_ADJ_+9.4"
"FB_ADJ_U_Buck converter_ADJ_-9": "C1_U_Buck converter_ADJ_-9.2" "R1_U_Buck converter_ADJ_-9.2" "U1_U_Buck converter_ADJ_-9.4"
GND: C4.2 C5.2 D2.2 LED3.1 LED4.1 U2.3 U2.5
GND_ar: -9VIN.2 -9VIN.3 EMG.9 IN.2 IN.3 P2.4 R6.2 R7.2 R8.2 R9.2 R10.2 R11.2 Reset.B SERVO.2 SERVO.4 SERVO.6 SERVO.8 SERVO.10 SERVO.12 SERVO.14 | length 196
  Top Layer w0.7: EMG.9 29.336,0.763 39.244,0.763 P2.4 42.544,0.763 75.975,0.763 76,0.788 97.259,0.788 100.666,4.195 100.666,20.425 93.43,27.661 -9VIN.2 93.43,37.041 92.28,38.191 92.28,40.191 -9VIN.3@91.73,40.741 ; Reset.B 45.6,15.414 48.543,15.414 R6.2 R7.2 R8.2 R9.2 R10.2@67.31,15.414 ; R11.2 67.31,31.91 R10.2@67.31,15.414 ; R10.2 R10.2@67.31,15.414 ; IN.3 91.603,52.044 92.153,51.494 92.153,49.494 93.303,48.344 IN.2 93.303,42.314 -9VIN.3@91.73,40.741 ; -9VIN.3 -9VIN.3@91.73,40.741
GND_EMG: "C1_U_Buck converter_ADJ_-9.1" "C2_U_Buck converter_ADJ_+9.N" "C2_U_Buck converter_ADJ_-9.P" "C3_U_Buck converter_ADJ_+9.N" "D1_U_Buck converter_ADJ_+9.2" "L1_U_Buck converter_ADJ_-9.2" "LED1_U_Buck converter_ADJ_+9.1" "LED2_U_Buck converter_ADJ_+9.1" "R1_U_Buck converter_ADJ_+9.1" "R1_U_Buck converter_ADJ_-9.3" "R3_U_Buck converter_ADJ_-9.1" "U1_U_Buck converter_ADJ_+9.3" "U1_U_Buck converter_ADJ_+9.5" EMG.3
"GND_U_Buck converter_ADJ_7": "C2_U_Buck converter_ADJ_7.N" "C3_U_Buck converter_ADJ_7.N" "D1_U_Buck converter_ADJ_7.2" "LED1_U_Buck converter_ADJ_7.1" "LED2_U_Buck converter_ADJ_7.1" "R1_U_Buck converter_ADJ_7.1" "U1_U_Buck converter_ADJ_7.3" "U1_U_Buck converter_ADJ_7.5"
IN_-9V: -9VIN.1 BUCK_SW.3
"NetC3_U_Buck converter_ADJ_7_P": "C3_U_Buck converter_ADJ_7.P" "R2_U_Buck converter_ADJ_7.1" "U1_U_Buck converter_ADJ_7.1" BUCK_SW.7
"NetC3_U_Buck converter_ADJ_+9_P": "C3_U_Buck converter_ADJ_+9.P" "R2_U_Buck converter_ADJ_+9.1" "U1_U_Buck converter_ADJ_+9.1" BUCK_SW.5
"NetC3_U_Buck converter_ADJ_-9_P": "C3_U_Buck converter_ADJ_-9.P" "R2_U_Buck converter_ADJ_-9.1" "U1_U_Buck converter_ADJ_-9.1" BUCK_SW.6
NetC4_1: BUCK_SW.8 C4.1 R4.1 U2.1
"NetD1_U_Buck converter_ADJ_7_1": "D1_U_Buck converter_ADJ_7.1" "L1_U_Buck converter_ADJ_7.1" "U1_U_Buck converter_ADJ_7.2"
"NetD1_U_Buck converter_ADJ_+9_1": "D1_U_Buck converter_ADJ_+9.1" "L1_U_Buck converter_ADJ_+9.1" "U1_U_Buck converter_ADJ_+9.2"
"NetD1_U_Buck converter_ADJ_-9_1": "D1_U_Buck converter_ADJ_-9.1" "L1_U_Buck converter_ADJ_-9.1" "U1_U_Buck converter_ADJ_-9.2"
NetD2_1: D2.1 L2.1 U2.2
NetD3_1: D3.1 PrSW.2 | length 26.8
  Top Layer w0.7: PrSW.2 72.136,39.045 79.444,31.736 80.587,31.736 D3.1
NetJ2_1: BUCK_SW.1 BUCK_SW.2 BUCK_SW.4 IN.1
"NetLED1_U_Buck converter_ADJ_7_2": "LED1_U_Buck converter_ADJ_7.2" "R2_U_Buck converter_ADJ_7.2"
"NetLED1_U_Buck converter_ADJ_+9_2": "LED1_U_Buck converter_ADJ_+9.2" "R2_U_Buck converter_ADJ_+9.2"
"NetLED1_U_Buck converter_ADJ_-9_2": "LED1_U_Buck converter_ADJ_-9.2" "R2_U_Buck converter_ADJ_-9.2"
"NetLED2_U_Buck converter_ADJ_7_2": "LED2_U_Buck converter_ADJ_7.2" "R3_U_Buck converter_ADJ_7.2"
"NetLED2_U_Buck converter_ADJ_+9_2": "LED2_U_Buck converter_ADJ_+9.2" "R3_U_Buck converter_ADJ_+9.2"
"NetLED2_U_Buck converter_ADJ_-9_2": "LED2_U_Buck converter_ADJ_-9.2" "R3_U_Buck converter_ADJ_-9.2"
NetLED3_2: LED3.2 R4.2
NetLED4_2: LED4.2 R5.2
NetLED5_1: PrLED.1 R11.1 | length 8.8
  Top Layer w0.7: PrLED.1 67.691,49.159 68.326,48.524 R11.1
Pin2: P5.2 SERVO.15
Pin3: P5.3 SERVO.17
Pin4: P5.4 SERVO.19
Pin5: P5.5 SERVO.21
Pin6: P5.6 SERVO.23
Pin9: P6.2 SERVO.25
Pin10: P6.3 SERVO.26
reset: P2.1 Reset.A | length 5.5
  Top Layer w0.7: Reset.A 33.167,7.767 33.167,2.52 P2.1
pads on no net: A1. A1.0 A1.1 A1.2 A1.3 A1.3V3 A1.4 A1.5 A1.5V_1 A1.5V_2 A1.5V_3 A1.6 A1.7 A1.8 A1.9 A1.10 A1.11 A1.12 A1.13 A1.14 A1.15 A1.16 A1.17 A1.18 A1.19 A1.20 A1.21 A1.22 A1.23 A1.24 A1.25 A1.26 A1.27 A1.28 A1.29 A1.30 A1.31 A1.32 A1.33 A1.34 A1.35 A1.36 A1.37 A1.38 A1.39 A1.40 A1.41 A1.42 A1.43 A1.44 A1.45 A1.46 A1.47 A1.48 A1.49 A1.50 A1.51 A1.52 A1.53 A1.AD0 A1.AD1 A1.AD2 A1.AD3 A1.AD4 A1.AD5 A1.AD6 A1.AD7 A1.AD8 A1.AD9 A1.AD10 A1.AD11 A1.AD12 A1.AD13 A1.AD14 A1.AD15 A1.AREF A1.GND1 A1.GND2 A1.GND3 A1.GND4 A1.GND5 A1.IOREF A1.NC A1.RESET A1.SCL A1.SDA A1.VIN EMG.2 EMG.4 EMG.6 EMG.8 EMG.10 FLEX.11 FLEX.12 FLEX.13 FLEX.14 P2.2 P2.5 P2.6 P5.1 P6.1 P6.4 P6.5 P6.6 SERVO.16 SERVO.18 SERVO.20 SERVO.22 SERVO.24

## Silkscreen, mask and mechanical layers (free items; w line width, h text height)
Board:
  lines w0.254: 0,0 101.52,0 101.52,53.064 101.371,53.213 0.149,53.213 0,53.064 0,0.178

## Text inside footprints (layer, text, board x,y; h text height)
C5: Top Overlay "+" at 187.579,131.699 h1.5
EMG: Top Overlay "9" at 27.295,3.594 h1.02; Top Overlay "10" at 27.295,6.134 h1.02; Top Overlay "2" at 14.015,6.074 h1.02; Top Overlay "1" at 14.315,3.534 h1.02
"LED1_U_Buck converter_ADJ_7": Top Overlay "K" at 157.353,153.543 h0.76 r90; Mechanical 15 "K" at 157.353,153.543 h0.76 r90
"LED1_U_Buck converter_ADJ_+9": Top Overlay "K" at 157.353,184.15 h0.76 r90; Mechanical 15 "K" at 157.353,184.15 h0.76 r90
"LED1_U_Buck converter_ADJ_-9": Top Overlay "K" at 157.353,215.519 h0.76 r90; Mechanical 15 "K" at 157.353,215.519 h0.76 r90
"LED2_U_Buck converter_ADJ_7": Top Overlay "K" at 199.263,153.416 h0.76 r90; Mechanical 15 "K" at 199.263,153.416 h0.76 r90
"LED2_U_Buck converter_ADJ_+9": Top Overlay "K" at 200.787,184.023 h0.76 r90; Mechanical 15 "K" at 200.787,184.023 h0.76 r90
"LED2_U_Buck converter_ADJ_-9": Top Overlay "K" at 200.787,215.392 h0.76 r90; Mechanical 15 "K" at 200.787,215.392 h0.76 r90
LED3: Top Overlay "K" at 160.02,134.239 h0.76; Mechanical 15 "K" at 160.02,134.239 h0.76
LED4: Top Overlay "K" at 168.275,134.239 h0.76; Mechanical 15 "K" at 168.275,134.239 h0.76
P2: Top Overlay "1" at 33.154,4.113 h1.02; Top Overlay "6" at 45.594,4.113 h1.02
P4: Top Overlay "1" at 50.934,4.113 h1.02; Top Overlay "6" at 63.374,4.113 h1.02
P5: Top Overlay "1" at 61.334,48.973 h1.02 r180; Top Overlay "6" at 48.894,48.973 h1.02 r180
P6: Top Overlay "1" at 42.03,48.973 h1.02 r180; Top Overlay "6" at 29.59,48.973 h1.02 r180
PrLED: Top Overlay "K" at 69.469,49.022 h0.76; Mechanical 15 "K" at 69.469,49.022 h0.76
SERVO: Top Overlay "26" at 4.28,37.201 h1.02 r90; Top Overlay "25" at 6.82,37.201 h1.02 r90; Top Overlay "2" at 4.34,3.601 h1.02 r90; Top Overlay "1" at 6.88,3.901 h1.02 r90